# KiCad board helios-panel.kicad_pcb (continued)
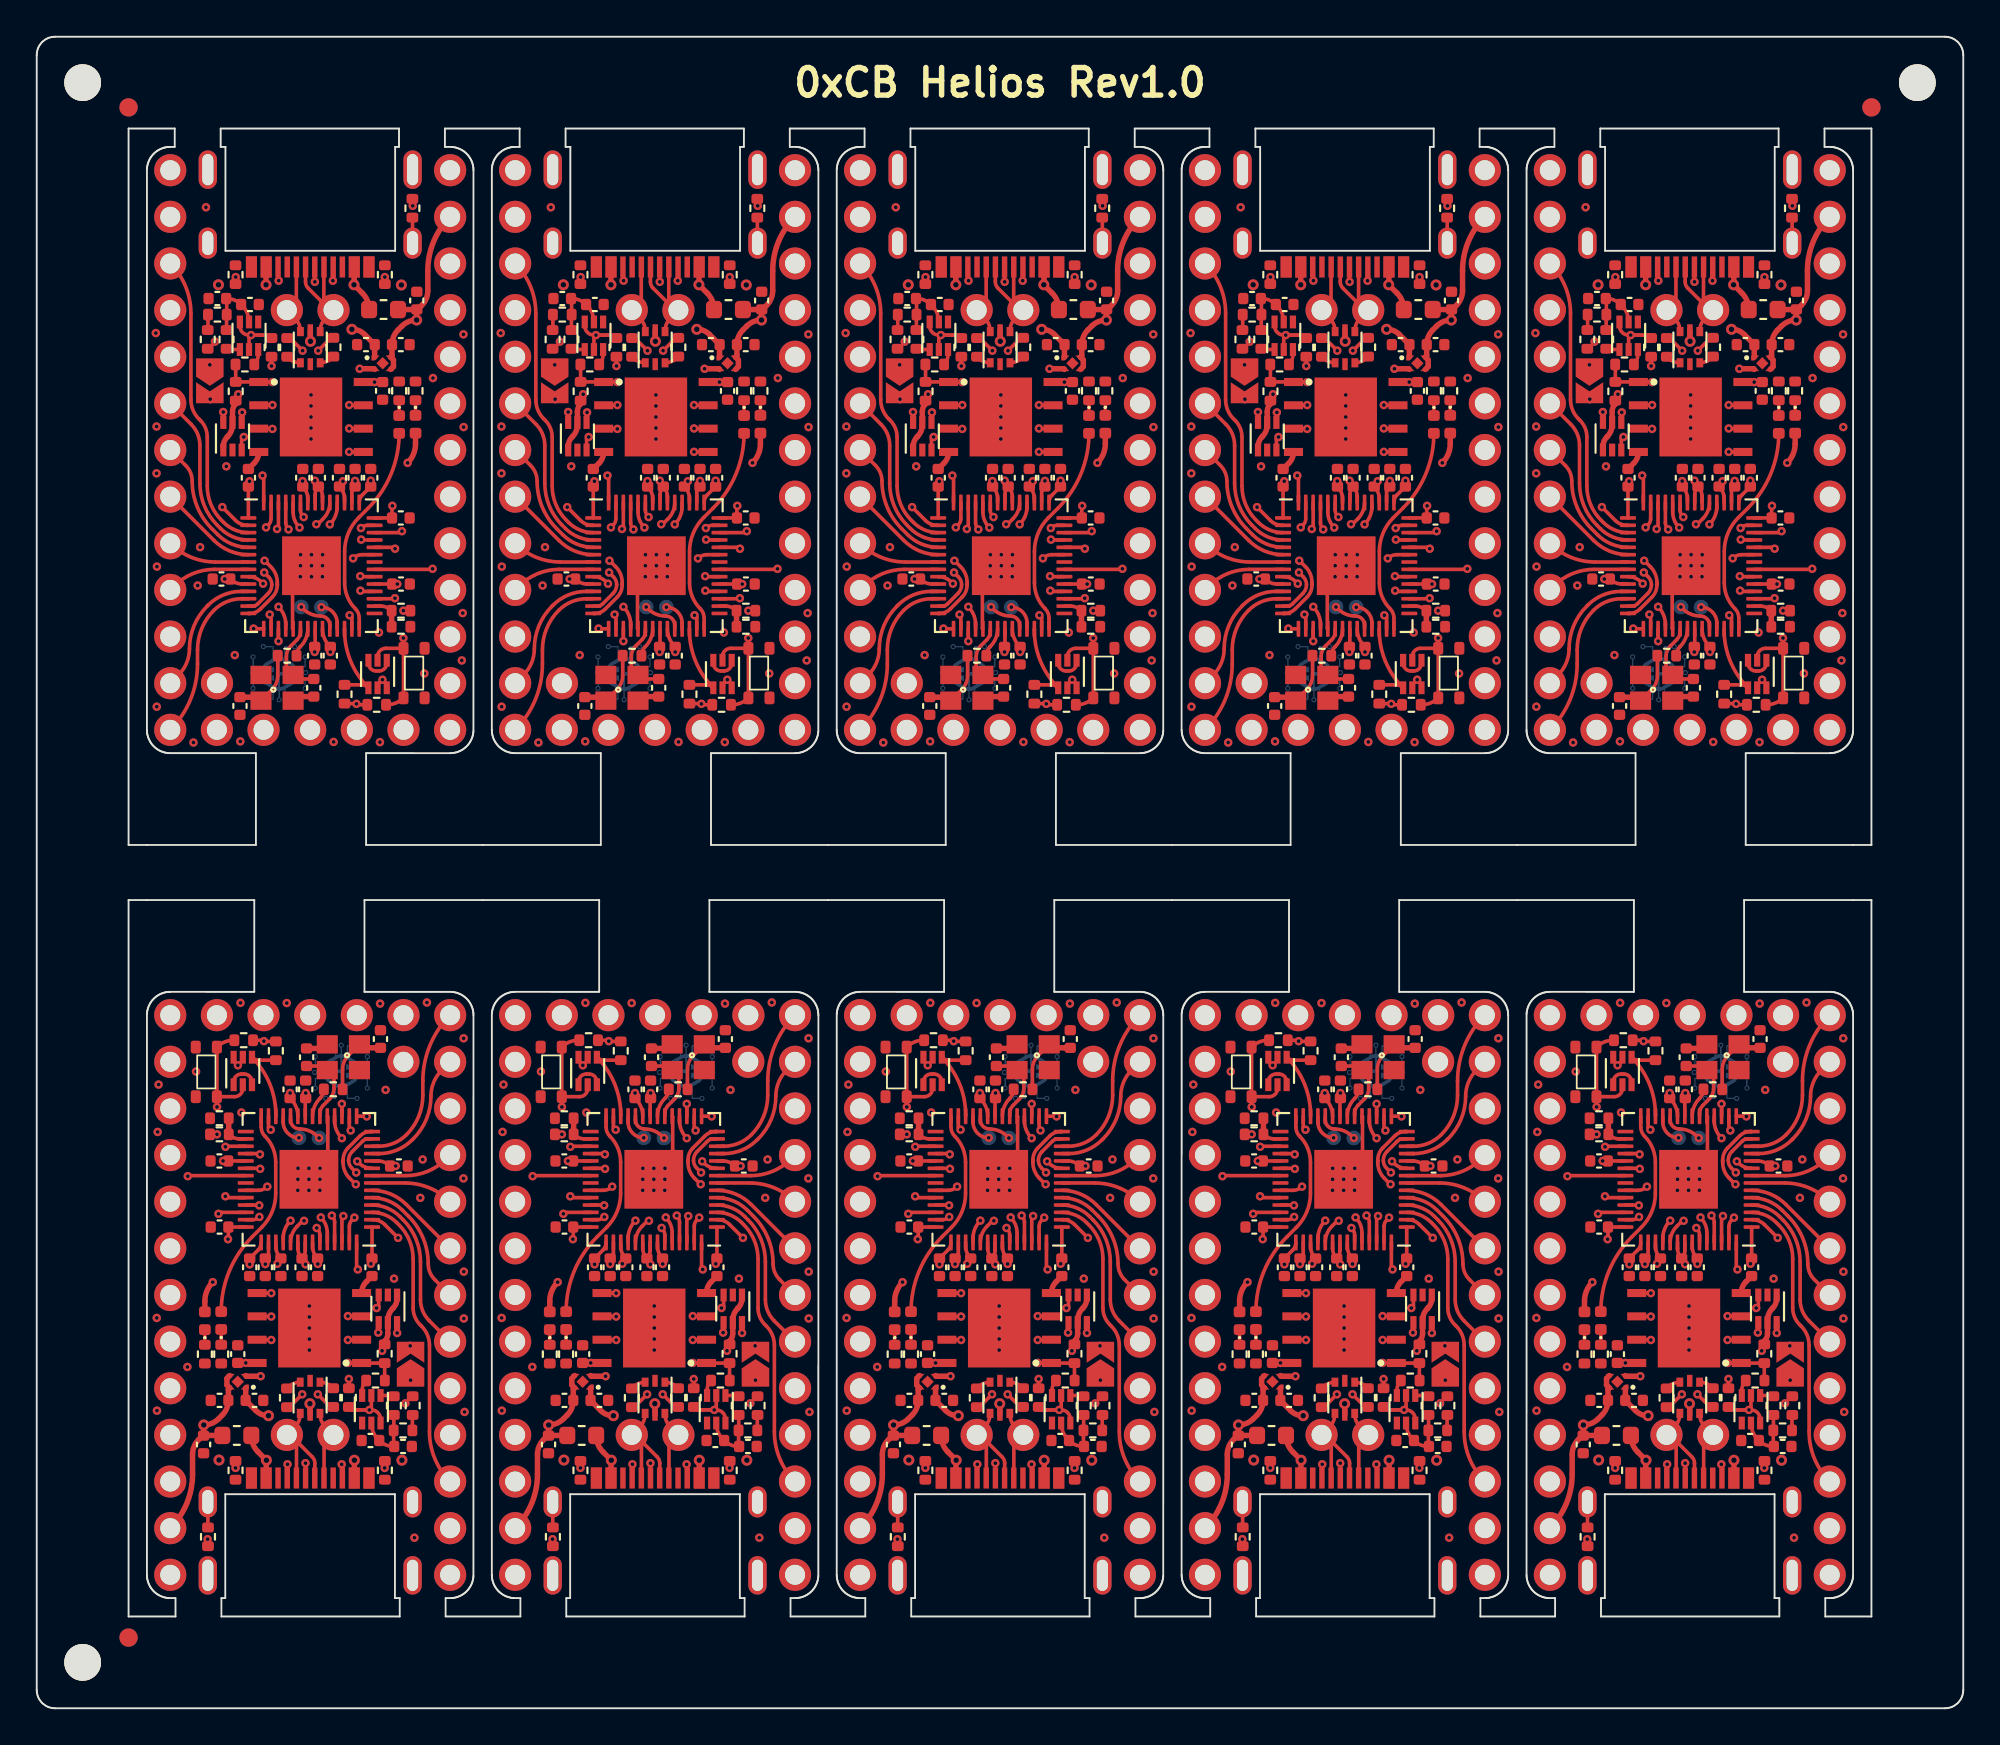
[diagram p0: board, top side]
## Copper pours and planes (outline as drawn; the poured copper is in the pictures) (continued)
Board_6-/2_SDA1 on Top: 39.63,21.83 39.71,21.54 39.79,21.3 39.88,21.09 39.96,20.91 40.05,20.75 40.13,20.59 40.21,20.42 40.29,20.24 40.37,20.02 40.44,19.75 41.6,19.66 41.58,20.8 41.33,20.87 41.09,20.93 40.86,20.98 40.66,21.02 40.47,21.08 40.3,21.16 40.15,21.27 40.02,21.42 39.91,21.62 39.82,21.88
Board_6-/3_SCL1 on Top: 40,24.12 40.02,23.89 40.06,23.69 40.1,23.53 40.16,23.38 40.21,23.25 40.26,23.12 40.31,22.98 40.36,22.83 40.39,22.66 40.42,22.45 41.6,22.2 41.58,23.34 41.38,23.39 41.18,23.43 41,23.46 40.82,23.49 40.66,23.53 40.51,23.58 40.39,23.66 40.3,23.77 40.23,23.93 40.2,24.13
Board_6-/4 on Top: 39.98,26.21 40.12,26.06 40.22,25.92 40.28,25.78 40.32,25.65 40.34,25.53 40.35,25.39 40.36,25.26 40.38,25.11 40.41,24.94 40.46,24.76 41.6,24.74 41.58,25.88 41.4,25.93 41.23,25.96 41.08,25.98 40.95,25.99 40.81,26 40.69,26.02 40.56,26.06 40.42,26.12 40.28,26.22 40.13,26.36
Board_6-/5 on Top: 39.77,28.38 39.94,28.31 40.07,28.23 40.17,28.14 40.24,28.04 40.28,27.92 40.32,27.8 40.35,27.66 40.39,27.52 40.44,27.36 40.5,27.2 41.64,27.32 41.47,28.45 41.27,28.48 41.1,28.5 40.95,28.5 40.81,28.49 40.68,28.48 40.54,28.47 40.39,28.47 40.23,28.48 40.04,28.51 39.82,28.57
Board_6-/6 on Top: 39.88,29.07 40.09,29.13 40.28,29.17 40.44,29.19 40.58,29.2 40.71,29.2 40.85,29.2 40.98,29.21 41.13,29.22 41.3,29.24 41.5,29.28 41.63,30.41 40.49,30.49 40.43,30.33 40.39,30.17 40.36,30.02 40.33,29.88 40.31,29.74 40.27,29.62 40.21,29.51 40.12,29.42 39.99,29.33 39.81,29.26
Board_6-/7 on In2.Cu: 39.6,32.28 39.79,32.34 39.95,32.35 40.08,32.34 40.21,32.3 40.32,32.24 40.43,32.17 40.54,32.09 40.67,32.01 40.81,31.93 40.98,31.85 41.73,32.71 40.84,33.42 40.68,33.32 40.54,33.21 40.43,33.11 40.34,33.01 40.24,32.91 40.15,32.82 40.04,32.73 39.9,32.64 39.74,32.55 39.53,32.47
Board_6-/8 on Top: 40.39,33.76 40.45,33.94 40.53,34.07 40.62,34.16 40.73,34.21 40.86,34.25 40.99,34.27 41.14,34.29 41.29,34.31 41.46,34.34 41.63,34.4 41.58,35.54 40.44,35.41 40.4,35.21 40.37,35.05 40.35,34.9 40.34,34.77 40.31,34.51 40.3,34.37 40.28,34.21 40.25,34.03 40.2,33.81
Board_6-/9 on Top: 40.38,36.28 40.47,36.45 40.57,36.57 40.68,36.66 40.79,36.72 40.91,36.76 41.04,36.79 41.17,36.81 41.32,36.84 41.48,36.89 41.65,36.95 41.57,38.09 40.44,37.97 40.4,37.77 40.38,37.6 40.37,37.45 40.38,37.31 40.38,37.18 40.38,37.04 40.37,36.9 40.34,36.74 40.28,36.57 40.2,36.36
Board_6-/10 on In2.Cu: 40.24,8.69 40.32,8.48 40.36,8.3 40.38,8.14 40.39,8 40.39,7.86 40.38,7.73 40.38,7.59 40.38,7.44 40.4,7.27 40.44,7.07 41.57,6.93 41.66,8.06 41.5,8.13 41.34,8.18 41.19,8.21 41.06,8.24 40.93,8.27 40.81,8.31 40.7,8.37 40.6,8.47 40.51,8.59 40.43,8.77
Board_6-/11 on In1.Cu: 26.9,8.77 26.82,8.6 26.73,8.47 26.63,8.38 26.53,8.31 26.41,8.27 26.28,8.24 26.14,8.21 26,8.18 25.84,8.13 25.68,8.06 25.77,6.93 26.9,7.07 26.94,7.27 26.96,7.44 26.96,7.59 26.96,7.73 26.95,7.86 26.95,8 26.95,8.14 26.97,8.3 27.02,8.49 27.09,8.7
Board_6-/12 on In1.Cu: 37.77,36.31 37.88,36.48 37.99,36.6 38.1,36.68 38.22,36.73 38.34,36.77 38.47,36.79 38.61,36.81 38.76,36.84 38.92,36.88 39.09,36.94 39.04,38.08 37.91,37.98 37.86,37.79 37.84,37.62 37.83,37.47 37.83,37.2 37.82,37.07 37.8,36.93 37.76,36.78 37.7,36.61 37.59,36.41
Board_6-/13 on In1.Cu: 36.31,36 36.32,36.21 36.35,36.38 36.4,36.52 36.47,36.64 36.54,36.74 36.63,36.84 36.72,36.95 36.81,37.07 36.91,37.2 37,37.37 36.21,38.19 35.42,37.37 35.51,37.2 35.61,37.07 35.7,36.95 35.79,36.84 35.88,36.74 35.95,36.64 36.02,36.52 36.07,36.38 36.1,36.21 36.11,36
Board_6-/14 on In1.Cu: 34.8,36.39 34.7,36.59 34.64,36.76 34.61,36.92 34.59,37.06 34.58,37.19 34.59,37.32 34.59,37.46 34.58,37.61 34.56,37.78 34.52,37.98 33.38,38.08 33.32,36.95 33.49,36.88 33.65,36.84 33.8,36.81 33.94,36.79 34.07,36.77 34.19,36.73 34.3,36.67 34.41,36.59 34.52,36.46 34.62,36.3
Board_6-/15 on In1.Cu: 32.44,36.59 32.3,36.74 32.2,36.88 32.14,37.02 32.1,37.15 32.08,37.27 32.07,37.41 32.06,37.54 32.04,37.69 32.01,37.86 31.96,38.04 30.82,38.06 30.84,36.92 31.02,36.87 31.19,36.84 31.34,36.82 31.47,36.81 31.61,36.8 31.73,36.78 31.86,36.74 32,36.68 32.14,36.58 32.29,36.44
Board_6-/16 on In1.Cu: 29.88,36.53 29.75,36.7 29.66,36.86 29.6,37 29.57,37.14 29.55,37.27 29.54,37.4 29.53,37.54 29.51,37.68 29.47,37.85 29.42,38.04 28.28,38.06 28.3,36.92 28.48,36.87 28.65,36.84 28.8,36.83 28.94,36.82 29.07,36.8 29.2,36.78 29.33,36.74 29.45,36.67 29.58,36.56 29.72,36.41
Board_6-/20_SDI on In1.Cu: 27.36,31.51 27.22,31.66 27.12,31.8 27.06,31.94 27.02,32.07 27,32.19 26.99,32.33 26.98,32.46 26.96,32.61 26.93,32.78 26.88,32.96 25.74,32.98 25.76,31.84 25.94,31.79 26.11,31.76 26.26,31.74 26.39,31.73 26.53,31.72 26.65,31.7 26.78,31.66 26.92,31.6 27.06,31.5 27.21,31.36
Board_6-/21_CS on In1.Cu: 27.36,36.59 27.22,36.74 27.12,36.88 27.06,37.02 27.02,37.15 27,37.27 26.99,37.41 26.98,37.54 26.96,37.69 26.93,37.86 26.88,38.04 25.74,38.06 25.76,36.92 25.94,36.87 26.11,36.84 26.26,36.82 26.39,36.81 26.53,36.8 26.65,36.78 26.78,36.74 26.92,36.68 27.06,36.58 27.21,36.44
Board_6-/22_SCK on In1.Cu: 27.61,29.46 27.43,29.5 27.3,29.56 27.2,29.64 27.13,29.73 27.07,29.84 27.03,29.96 26.99,30.1 26.95,30.24 26.89,30.39 26.82,30.55 25.69,30.39 25.93,29.26 26.13,29.24 26.3,29.23 26.45,29.24 26.59,29.25 26.86,29.28 27,29.29 27.17,29.3 27.36,29.29 27.58,29.26
Board_6-/23_SDO on In2.Cu: 27.09,33.78 27.03,34 27,34.18 26.98,34.35 26.97,34.49 26.97,34.63 26.97,34.76 26.97,34.9 26.96,35.05 26.94,35.22 26.9,35.41 25.77,35.55 25.68,34.42 25.85,34.35 26,34.31 26.15,34.28 26.29,34.25 26.42,34.22 26.54,34.18 26.65,34.12 26.75,34.03 26.83,33.9 26.9,33.72
Board_6-/A0 on In1.Cu: 27.76,27.98 27.53,28 27.34,28.03 27.18,28.07 27.04,28.13 26.92,28.19 26.79,28.26 26.66,28.32 26.52,28.38 26.35,28.43 26.15,28.46 25.64,27.44 26.67,26.97 26.79,27.1 26.88,27.22 27.04,27.44 27.12,27.54 27.21,27.62 27.31,27.69 27.43,27.74 27.57,27.77 27.76,27.79
Board_6-/A1 on In1.Cu: 27.21,26.36 27.06,26.22 26.92,26.12 26.78,26.06 26.65,26.02 26.53,26 26.39,25.99 26.26,25.98 26.11,25.96 25.94,25.93 25.76,25.88 25.74,24.74 26.88,24.76 26.93,24.94 26.96,25.11 26.98,25.26 26.99,25.39 27,25.53 27.02,25.65 27.06,25.78 27.12,25.92 27.22,26.06 27.36,26.21
Board_6-/A2 on In1.Cu: 27.21,23.82 27.06,23.68 26.92,23.58 26.78,23.52 26.65,23.48 26.53,23.46 26.39,23.45 26.26,23.44 26.11,23.42 25.94,23.39 25.76,23.34 25.74,22.2 26.88,22.22 26.93,22.4 26.96,22.57 26.98,22.72 26.99,22.85 27,22.99 27.02,23.11 27.06,23.24 27.12,23.38 27.22,23.52 27.36,23.67
Board_6-/A3 on In1.Cu: 27.2,21.62 27.15,21.4 27.07,21.24 26.97,21.13 26.85,21.05 26.7,20.99 26.54,20.96 26.36,20.93 26.17,20.9 25.97,20.86 25.76,20.8 25.74,19.66 26.92,19.85 26.96,20.06 27,20.25 27.05,20.4 27.1,20.55 27.15,20.68 27.21,20.82 27.26,20.97 27.31,21.14 27.36,21.35 27.4,21.59
Board_6-/PORT+ on Top: 34.1,16.06 34.11,15.97 34.13,15.89 34.15,15.81 34.18,15.74 34.21,15.68 34.25,15.62 34.32,15.51 35.21,14.54 34.5,15.65 34.43,15.73 34.4,15.77 34.37,15.82 34.34,15.87 34.32,15.93 34.31,15.99 34.3,16.06
Board_6-/PORT+ on Top: 34.52,13.3 34.54,13.46 34.57,13.58 34.62,13.69 34.69,13.77 34.77,13.84 34.87,13.89 34.98,13.94 35.1,14 35.22,14.05 35.36,14.12 35.2,15.25 34.06,14.89 34.07,14.69 34.09,14.53 34.12,14.38 34.16,14.25 34.19,14.13 34.23,14 34.27,13.86 34.3,13.71 34.32,13.52 34.33,13.3
Board_6-/PORT+ on In1.Cu: 33.69,13.66 33.84,13.8 33.98,13.89 34.11,13.95 34.23,13.98 34.36,13.99 34.49,13.99 34.62,13.99 34.77,13.99 34.93,14 35.12,14.03 35.29,15.16 34.16,15.28 34.08,15.1 34.03,14.94 33.99,14.79 33.94,14.52 33.91,14.39 33.87,14.25 33.8,14.11 33.69,13.97 33.55,13.8
Board_6-/PORT- on Top: 33.02,13.31 33.03,13.53 33.05,13.71 33.08,13.87 33.11,14.01 33.15,14.13 33.19,14.26 33.22,14.39 33.25,14.53 33.27,14.69 33.28,14.89 32.14,15.24 32,14.11 32.13,14.05 32.26,13.99 32.38,13.94 32.48,13.89 32.58,13.84 32.66,13.77 32.73,13.69 32.78,13.59 32.81,13.47 32.83,13.31
Board_6-/PORT- on Top: 33.8,13.82 33.65,13.98 33.55,14.13 33.48,14.27 33.43,14.4 33.4,14.53 33.35,14.81 33.31,14.96 33.26,15.12 33.18,15.3 32.05,15.15 32.24,14.03 32.42,14 32.58,14 32.73,14 32.86,14 32.99,14 33.12,13.99 33.24,13.96 33.37,13.9 33.51,13.81 33.66,13.68
Board_6-/PORT- on Top: 33.03,16.06 33.02,15.99 33.01,15.93 32.99,15.87 32.96,15.82 32.93,15.77 32.9,15.73 32.83,15.66 32.14,14.54 33.02,15.51 33.09,15.62 33.12,15.68 33.15,15.74 33.18,15.81 33.21,15.89 33.22,15.97 33.23,16.06
Board_6-/RESET on In2.Cu: 26.97,16.36 26.88,16.19 26.78,16.06 26.67,15.98 26.56,15.92 26.44,15.88 26.31,15.85 26.17,15.83 26.02,15.8 25.86,15.76 25.69,15.69 25.77,14.56 26.9,14.67 26.94,14.87 26.96,15.04 26.97,15.19 26.96,15.33 26.96,15.46 26.96,15.59 26.98,15.74 27.01,15.89 27.07,16.07 27.15,16.27
Board_6-/RGB_5V on In2.Cu: 38.46,33.47 38.56,33.67 38.66,33.83 38.76,33.95 38.86,34.06 38.96,34.15 39.06,34.24 39.16,34.34 39.27,34.45 39.37,34.58 39.49,34.75 38.79,35.65 37.92,34.92 37.99,34.75 38.07,34.61 38.15,34.48 38.22,34.36 38.29,34.25 38.34,34.14 38.37,34.02 38.38,33.88 38.35,33.73 38.28,33.55
Board_6-GND on Top, Bottom: 45.84,1.81 21.34,1.81 21.34,41.31 45.84,41.31
Board_6-Net-(C8-Pad2) on Top: 37.32,36.12 37.22,36.12 37.14,36.14 37.07,36.16 37.01,36.19 36.96,36.22 36.92,36.27 36.87,36.32 36.78,36.43 36.72,36.5 36.12,36.25 36.38,35.66 36.5,35.67 36.59,35.69 36.68,35.71 36.75,35.73 36.83,35.75 36.9,35.77 36.99,35.79 37.08,35.81 37.19,35.82 37.32,35.82
Board_6-Net-(C8-Pad2) on Top: 35.59,35.11 35.64,35.25 35.71,35.35 35.78,35.43 35.86,35.49 35.95,35.53 36.04,35.57 36.15,35.59 36.26,35.62 36.38,35.65 36.51,35.69 36.53,36.34 35.88,36.32 35.83,36.18 35.78,36.06 35.73,35.96 35.69,35.86 35.6,35.68 35.56,35.58 35.51,35.47 35.45,35.34 35.4,35.17
Board_6-Net-(FB1-Pad1) on Top: 28.2,10.25 28.21,10.36 28.22,10.46 28.24,10.54 28.28,10.61 28.31,10.67 28.36,10.73 28.4,10.79 28.45,10.86 28.5,10.93 28.55,11.03 28.09,11.49 27.65,11.02 27.7,10.93 27.75,10.85 27.8,10.78 27.84,10.73 27.89,10.67 27.92,10.61 27.95,10.54 27.98,10.46 27.99,10.36 28,10.25
Board_7-+3V3 on In1.Cu, In2.Cu: 65.61,2.81 41.12,2.81 41.12,42.31 65.61,42.31
Board_7-+5V on Top: 45.64,11.33 45.56,11.16 45.47,11.03 45.38,10.93 45.27,10.87 45.16,10.82 45.04,10.78 44.91,10.75 44.77,10.72 44.62,10.67 44.46,10.6 44.55,9.47 45.68,9.61 45.72,9.81 45.74,9.97 45.75,10.12 45.75,10.26 45.75,10.39 45.76,10.53 45.77,10.67 45.8,10.83 45.84,11.01 45.92,11.22
Board_7-/0_TX0 on In1.Cu: 59.26,11.39 59.35,11.22 59.41,11.06 59.43,10.92 59.43,10.78 59.4,10.66 59.36,10.53 59.32,10.39 59.27,10.24 59.23,10.08 59.2,9.89 60.22,9.4 60.68,10.44 60.53,10.58 60.39,10.68 60.26,10.76 60.02,10.9 59.91,10.98 59.79,11.07 59.67,11.18 59.55,11.32 59.42,11.5
Board_7-/1_RX0 on Top: 59.06,13.8 59.12,13.58 59.16,13.39 59.18,13.23 59.18,13.09 59.17,12.95 59.17,12.82 59.16,12.68 59.16,12.53 59.18,12.36 59.21,12.16 60.34,12.01 60.45,13.14 60.29,13.21 60.13,13.25 59.98,13.29 59.85,13.32 59.72,13.35 59.6,13.4 59.5,13.46 59.4,13.56 59.32,13.69 59.24,13.86
Board_7-/2_SDA1 on Top: 58.41,21.83 58.49,21.54 58.57,21.3 58.66,21.09 58.74,20.91 58.83,20.75 58.91,20.59 58.99,20.42 59.07,20.24 59.15,20.02 59.22,19.75 60.38,19.66 60.36,20.8 60.11,20.87 59.87,20.93 59.64,20.98 59.44,21.02 59.25,21.08 59.08,21.16 58.93,21.27 58.8,21.42 58.69,21.62 58.6,21.88
Board_7-/3_SCL1 on Top: 58.78,24.12 58.8,23.89 58.84,23.69 58.88,23.53 58.94,23.38 58.99,23.25 59.04,23.12 59.09,22.98 59.14,22.83 59.17,22.66 59.2,22.45 60.38,22.2 60.36,23.34 60.16,23.39 59.96,23.43 59.78,23.46 59.6,23.49 59.44,23.53 59.29,23.58 59.17,23.66 59.08,23.77 59.01,23.93 58.98,24.13
Board_7-/4 on Top: 58.76,26.21 58.9,26.06 59,25.92 59.06,25.78 59.1,25.65 59.12,25.53 59.13,25.39 59.14,25.26 59.16,25.11 59.19,24.94 59.24,24.76 60.38,24.74 60.36,25.88 60.18,25.93 60.01,25.96 59.86,25.98 59.73,25.99 59.59,26 59.47,26.02 59.34,26.06 59.2,26.12 59.06,26.22 58.91,26.36
Board_7-/5 on Top: 58.55,28.38 58.72,28.31 58.85,28.23 58.95,28.14 59.02,28.04 59.06,27.92 59.1,27.8 59.13,27.66 59.17,27.52 59.22,27.36 59.28,27.2 60.42,27.32 60.25,28.45 60.05,28.48 59.88,28.5 59.73,28.5 59.59,28.49 59.46,28.48 59.32,28.47 59.17,28.47 59.01,28.48 58.82,28.51 58.6,28.57
Board_7-/6 on Top: 58.66,29.07 58.87,29.13 59.06,29.17 59.22,29.19 59.36,29.2 59.49,29.2 59.63,29.2 59.76,29.21 59.91,29.22 60.08,29.24 60.28,29.28 60.41,30.41 59.27,30.49 59.21,30.33 59.17,30.17 59.14,30.02 59.11,29.88 59.09,29.74 59.05,29.62 58.99,29.51 58.9,29.42 58.77,29.33 58.59,29.26
Board_7-/7 on In2.Cu: 58.38,32.28 58.57,32.34 58.73,32.35 58.86,32.34 58.99,32.3 59.1,32.24 59.21,32.17 59.32,32.09 59.45,32.01 59.59,31.93 59.76,31.85 60.51,32.71 59.62,33.42 59.46,33.32 59.32,33.21 59.21,33.11 59.12,33.01 59.02,32.91 58.93,32.82 58.82,32.73 58.68,32.64 58.52,32.55 58.31,32.47
Board_7-/8 on Top: 59.17,33.76 59.23,33.94 59.31,34.07 59.4,34.16 59.51,34.21 59.64,34.25 59.77,34.27 59.92,34.29 60.07,34.31 60.24,34.34 60.41,34.4 60.36,35.54 59.22,35.41 59.18,35.21 59.15,35.05 59.13,34.9 59.12,34.77 59.09,34.51 59.08,34.37 59.06,34.21 59.03,34.03 58.98,33.81
Board_7-/9 on Top: 59.16,36.28 59.25,36.45 59.35,36.57 59.46,36.66 59.57,36.72 59.69,36.76 59.82,36.79 59.95,36.81 60.1,36.84 60.26,36.89 60.43,36.95 60.35,38.09 59.22,37.97 59.18,37.77 59.16,37.6 59.15,37.45 59.16,37.31 59.16,37.18 59.16,37.04 59.15,36.9 59.12,36.74 59.06,36.57 58.98,36.36
Board_7-/10 on In2.Cu: 59.02,8.69 59.1,8.48 59.14,8.3 59.16,8.14 59.17,8 59.17,7.86 59.16,7.73 59.16,7.59 59.16,7.44 59.18,7.27 59.22,7.07 60.35,6.93 60.44,8.06 60.28,8.13 60.12,8.18 59.97,8.21 59.84,8.24 59.71,8.27 59.59,8.31 59.48,8.37 59.38,8.47 59.29,8.59 59.21,8.77
Board_7-/11 on In1.Cu: 45.68,8.77 45.6,8.6 45.51,8.47 45.41,8.38 45.31,8.31 45.19,8.27 45.06,8.24 44.92,8.21 44.78,8.18 44.62,8.13 44.46,8.06 44.55,6.93 45.68,7.07 45.72,7.27 45.74,7.44 45.74,7.59 45.74,7.73 45.73,7.86 45.73,8 45.73,8.14 45.75,8.3 45.8,8.49 45.87,8.7
Board_7-/12 on In1.Cu: 56.55,36.31 56.66,36.48 56.77,36.6 56.88,36.68 57,36.73 57.12,36.77 57.25,36.79 57.39,36.81 57.54,36.84 57.7,36.88 57.87,36.94 57.82,38.08 56.69,37.98 56.64,37.79 56.62,37.62 56.61,37.47 56.61,37.2 56.6,37.07 56.58,36.93 56.54,36.78 56.48,36.61 56.37,36.41
Board_7-/13 on In1.Cu: 55.09,36 55.1,36.21 55.13,36.38 55.18,36.52 55.25,36.64 55.32,36.74 55.41,36.84 55.5,36.95 55.59,37.07 55.69,37.2 55.78,37.37 54.99,38.19 54.2,37.37 54.29,37.2 54.39,37.07 54.48,36.95 54.57,36.84 54.66,36.74 54.73,36.64 54.8,36.52 54.85,36.38 54.88,36.21 54.89,36
Board_7-/14 on In1.Cu: 53.58,36.39 53.48,36.59 53.42,36.76 53.39,36.92 53.37,37.06 53.36,37.19 53.37,37.32 53.37,37.46 53.36,37.61 53.34,37.78 53.3,37.98 52.16,38.08 52.1,36.95 52.27,36.88 52.43,36.84 52.58,36.81 52.72,36.79 52.85,36.77 52.97,36.73 53.08,36.67 53.19,36.59 53.3,36.46 53.4,36.3
Board_7-/15 on In1.Cu: 51.22,36.59 51.08,36.74 50.98,36.88 50.92,37.02 50.88,37.15 50.86,37.27 50.85,37.41 50.84,37.54 50.82,37.69 50.79,37.86 50.74,38.04 49.6,38.06 49.62,36.92 49.8,36.87 49.97,36.84 50.12,36.82 50.25,36.81 50.39,36.8 50.51,36.78 50.64,36.74 50.78,36.68 50.92,36.58 51.07,36.44
Board_7-/16 on In1.Cu: 48.66,36.53 48.53,36.7 48.44,36.86 48.38,37 48.35,37.14 48.33,37.27 48.32,37.4 48.31,37.54 48.29,37.68 48.25,37.85 48.2,38.04 47.06,38.06 47.08,36.92 47.26,36.87 47.43,36.84 47.58,36.83 47.72,36.82 47.85,36.8 47.98,36.78 48.11,36.74 48.23,36.67 48.36,36.56 48.5,36.41
Board_7-/20_SDI on In1.Cu: 46.14,31.51 46,31.66 45.9,31.8 45.84,31.94 45.8,32.07 45.78,32.19 45.77,32.33 45.76,32.46 45.74,32.61 45.71,32.78 45.66,32.96 44.52,32.98 44.54,31.84 44.72,31.79 44.89,31.76 45.04,31.74 45.17,31.73 45.31,31.72 45.43,31.7 45.56,31.66 45.7,31.6 45.84,31.5 45.99,31.36
Board_7-/21_CS on In1.Cu: 46.14,36.59 46,36.74 45.9,36.88 45.84,37.02 45.8,37.15 45.78,37.27 45.77,37.41 45.76,37.54 45.74,37.69 45.71,37.86 45.66,38.04 44.52,38.06 44.54,36.92 44.72,36.87 44.89,36.84 45.04,36.82 45.17,36.81 45.31,36.8 45.43,36.78 45.56,36.74 45.7,36.68 45.84,36.58 45.99,36.44
Board_7-/22_SCK on In1.Cu: 46.39,29.46 46.21,29.5 46.08,29.56 45.98,29.64 45.91,29.73 45.85,29.84 45.81,29.96 45.77,30.1 45.73,30.24 45.67,30.39 45.6,30.55 44.47,30.39 44.71,29.26 44.91,29.24 45.08,29.23 45.23,29.24 45.37,29.25 45.64,29.28 45.78,29.29 45.95,29.3 46.14,29.29 46.36,29.26
Board_7-/23_SDO on In2.Cu: 45.87,33.78 45.81,34 45.78,34.18 45.76,34.35 45.75,34.49 45.75,34.63 45.75,34.76 45.75,34.9 45.74,35.05 45.72,35.22 45.68,35.41 44.55,35.55 44.46,34.42 44.63,34.35 44.78,34.31 44.93,34.28 45.07,34.25 45.2,34.22 45.32,34.18 45.43,34.12 45.53,34.03 45.61,33.9 45.68,33.72
Board_7-/A0 on In1.Cu: 46.54,27.98 46.31,28 46.12,28.03 45.96,28.07 45.82,28.13 45.7,28.19 45.57,28.26 45.44,28.32 45.3,28.38 45.13,28.43 44.93,28.46 44.42,27.44 45.45,26.97 45.57,27.1 45.66,27.22 45.82,27.44 45.9,27.54 45.99,27.62 46.09,27.69 46.21,27.74 46.35,27.77 46.54,27.79
Board_7-/A1 on In1.Cu: 45.99,26.36 45.84,26.22 45.7,26.12 45.56,26.06 45.43,26.02 45.31,26 45.17,25.99 45.04,25.98 44.89,25.96 44.72,25.93 44.54,25.88 44.52,24.74 45.66,24.76 45.71,24.94 45.74,25.11 45.76,25.26 45.77,25.39 45.78,25.53 45.8,25.65 45.84,25.78 45.9,25.92 46,26.06 46.14,26.21
Board_7-/A2 on In1.Cu: 45.99,23.82 45.84,23.68 45.7,23.58 45.56,23.52 45.43,23.48 45.31,23.46 45.17,23.45 45.04,23.44 44.89,23.42 44.72,23.39 44.54,23.34 44.52,22.2 45.66,22.22 45.71,22.4 45.74,22.57 45.76,22.72 45.77,22.85 45.78,22.99 45.8,23.11 45.84,23.24 45.9,23.38 46,23.52 46.14,23.67
Board_7-/A3 on In1.Cu: 45.98,21.62 45.93,21.4 45.85,21.24 45.75,21.13 45.63,21.05 45.48,20.99 45.32,20.96 45.14,20.93 44.95,20.9 44.75,20.86 44.54,20.8 44.52,19.66 45.7,19.85 45.74,20.06 45.78,20.25 45.83,20.4 45.88,20.55 45.93,20.68 45.99,20.82 46.04,20.97 46.09,21.14 46.14,21.35 46.18,21.59
Board_7-/PORT+ on Top: 52.88,16.06 52.89,15.97 52.91,15.89 52.93,15.81 52.96,15.74 52.99,15.68 53.03,15.62 53.1,15.51 53.99,14.54 53.28,15.65 53.21,15.73 53.18,15.77 53.15,15.82 53.12,15.87 53.1,15.93 53.09,15.99 53.08,16.06
Board_7-/PORT+ on Top: 53.31,13.3 53.32,13.46 53.35,13.58 53.4,13.69 53.47,13.77 53.55,13.84 53.65,13.89 53.76,13.94 53.88,14 54,14.05 54.14,14.12 53.98,15.25 52.84,14.89 52.85,14.69 52.87,14.53 52.9,14.38 52.94,14.25 52.97,14.13 53.01,14 53.05,13.86 53.08,13.71 53.1,13.52 53.11,13.3
Board_7-/PORT+ on In1.Cu: 52.47,13.66 52.62,13.8 52.76,13.89 52.89,13.95 53.01,13.98 53.14,13.99 53.27,13.99 53.4,13.99 53.55,13.99 53.71,14 53.9,14.03 54.07,15.16 52.94,15.28 52.86,15.1 52.81,14.94 52.77,14.79 52.72,14.52 52.69,14.39 52.65,14.25 52.58,14.11 52.47,13.97 52.33,13.8
Board_7-/PORT- on Top: 51.81,13.31 51.81,13.53 51.83,13.71 51.86,13.87 51.89,14.01 51.93,14.13 51.97,14.26 52,14.39 52.03,14.53 52.05,14.69 52.06,14.89 50.92,15.24 50.78,14.11 50.91,14.05 51.04,13.99 51.16,13.94 51.26,13.89 51.36,13.84 51.44,13.77 51.51,13.69 51.56,13.59 51.59,13.47 51.61,13.31
Board_7-/PORT- on Top: 52.58,13.82 52.43,13.98 52.33,14.13 52.26,14.27 52.21,14.4 52.18,14.53 52.13,14.81 52.09,14.96 52.04,15.12 51.96,15.3 50.83,15.15 51.02,14.03 51.2,14 51.36,14 51.51,14 51.64,14 51.77,14 51.9,13.99 52.02,13.96 52.15,13.9 52.29,13.81 52.44,13.68
Board_7-/PORT- on Top: 51.81,16.06 51.8,15.99 51.79,15.93 51.77,15.87 51.74,15.82 51.71,15.77 51.68,15.73 51.61,15.66 50.92,14.54 51.8,15.51 51.87,15.62 51.9,15.68 51.93,15.74 51.96,15.81 51.99,15.89 52,15.97 52.01,16.06
Board_7-/RESET on In2.Cu: 45.75,16.36 45.66,16.19 45.56,16.06 45.45,15.98 45.34,15.92 45.22,15.88 45.09,15.85 44.95,15.83 44.8,15.8 44.64,15.76 44.47,15.69 44.55,14.56 45.68,14.67 45.72,14.87 45.74,15.04 45.75,15.19 45.74,15.33 45.74,15.46 45.74,15.59 45.76,15.74 45.79,15.89 45.85,16.07 45.93,16.27
Board_7-/RGB_5V on In2.Cu: 57.24,33.47 57.34,33.67 57.44,33.83 57.54,33.95 57.64,34.06 57.74,34.15 57.84,34.24 57.94,34.34 58.05,34.45 58.15,34.58 58.27,34.75 57.57,35.65 56.7,34.92 56.77,34.75 56.85,34.61 56.93,34.48 57,34.36 57.07,34.25 57.12,34.14 57.15,34.02 57.16,33.88 57.13,33.73 57.06,33.55
Board_7-GND on Top, Bottom: 64.61,1.81 40.12,1.81 40.12,41.31 64.61,41.31
Board_7-Net-(C8-Pad2) on Top: 56.1,36.12 56,36.12 55.92,36.14 55.85,36.16 55.79,36.19 55.74,36.22 55.7,36.27 55.65,36.32 55.56,36.43 55.5,36.5 54.9,36.25 55.16,35.66 55.28,35.67 55.37,35.69 55.46,35.71 55.53,35.73 55.61,35.75 55.68,35.77 55.77,35.79 55.86,35.81 55.97,35.82 56.1,35.82
Board_7-Net-(C8-Pad2) on Top: 54.37,35.11 54.42,35.25 54.49,35.35 54.56,35.43 54.64,35.49 54.73,35.53 54.82,35.57 54.93,35.59 55.04,35.62 55.16,35.65 55.29,35.69 55.31,36.34 54.66,36.32 54.61,36.18 54.56,36.06 54.51,35.96 54.47,35.86 54.38,35.68 54.34,35.58 54.29,35.47 54.23,35.34 54.18,35.17
Board_7-Net-(FB1-Pad1) on Top: 46.98,10.25 46.99,10.36 47,10.46 47.02,10.54 47.06,10.61 47.09,10.67 47.14,10.73 47.18,10.79 47.23,10.86 47.28,10.93 47.33,11.03 46.87,11.49 46.43,11.02 46.48,10.93 46.53,10.85 46.58,10.78 46.62,10.73 46.67,10.67 46.7,10.61 46.73,10.54 46.76,10.46 46.77,10.36 46.78,10.25
Board_8-+3V3 on In1.Cu, In2.Cu: 84.39,2.81 59.89,2.81 59.89,42.31 84.39,42.31
Board_8-+5V on Top: 64.42,11.33 64.34,11.16 64.25,11.03 64.16,10.93 64.05,10.87 63.94,10.82 63.82,10.78 63.69,10.75 63.55,10.72 63.4,10.67 63.24,10.6 63.33,9.47 64.46,9.61 64.5,9.81 64.52,9.97 64.53,10.12 64.53,10.26 64.53,10.39 64.54,10.53 64.55,10.67 64.58,10.83 64.62,11.01 64.7,11.22
Board_8-/0_TX0 on In1.Cu: 78.04,11.39 78.13,11.22 78.19,11.06 78.21,10.92 78.21,10.78 78.18,10.66 78.14,10.53 78.1,10.39 78.05,10.24 78.01,10.08 77.98,9.89 79,9.4 79.46,10.44 79.31,10.58 79.17,10.68 79.04,10.76 78.8,10.9 78.69,10.98 78.57,11.07 78.45,11.18 78.33,11.32 78.2,11.5